# KiCad board ISA_PC104 Backplane.kicad_pcb (continued)
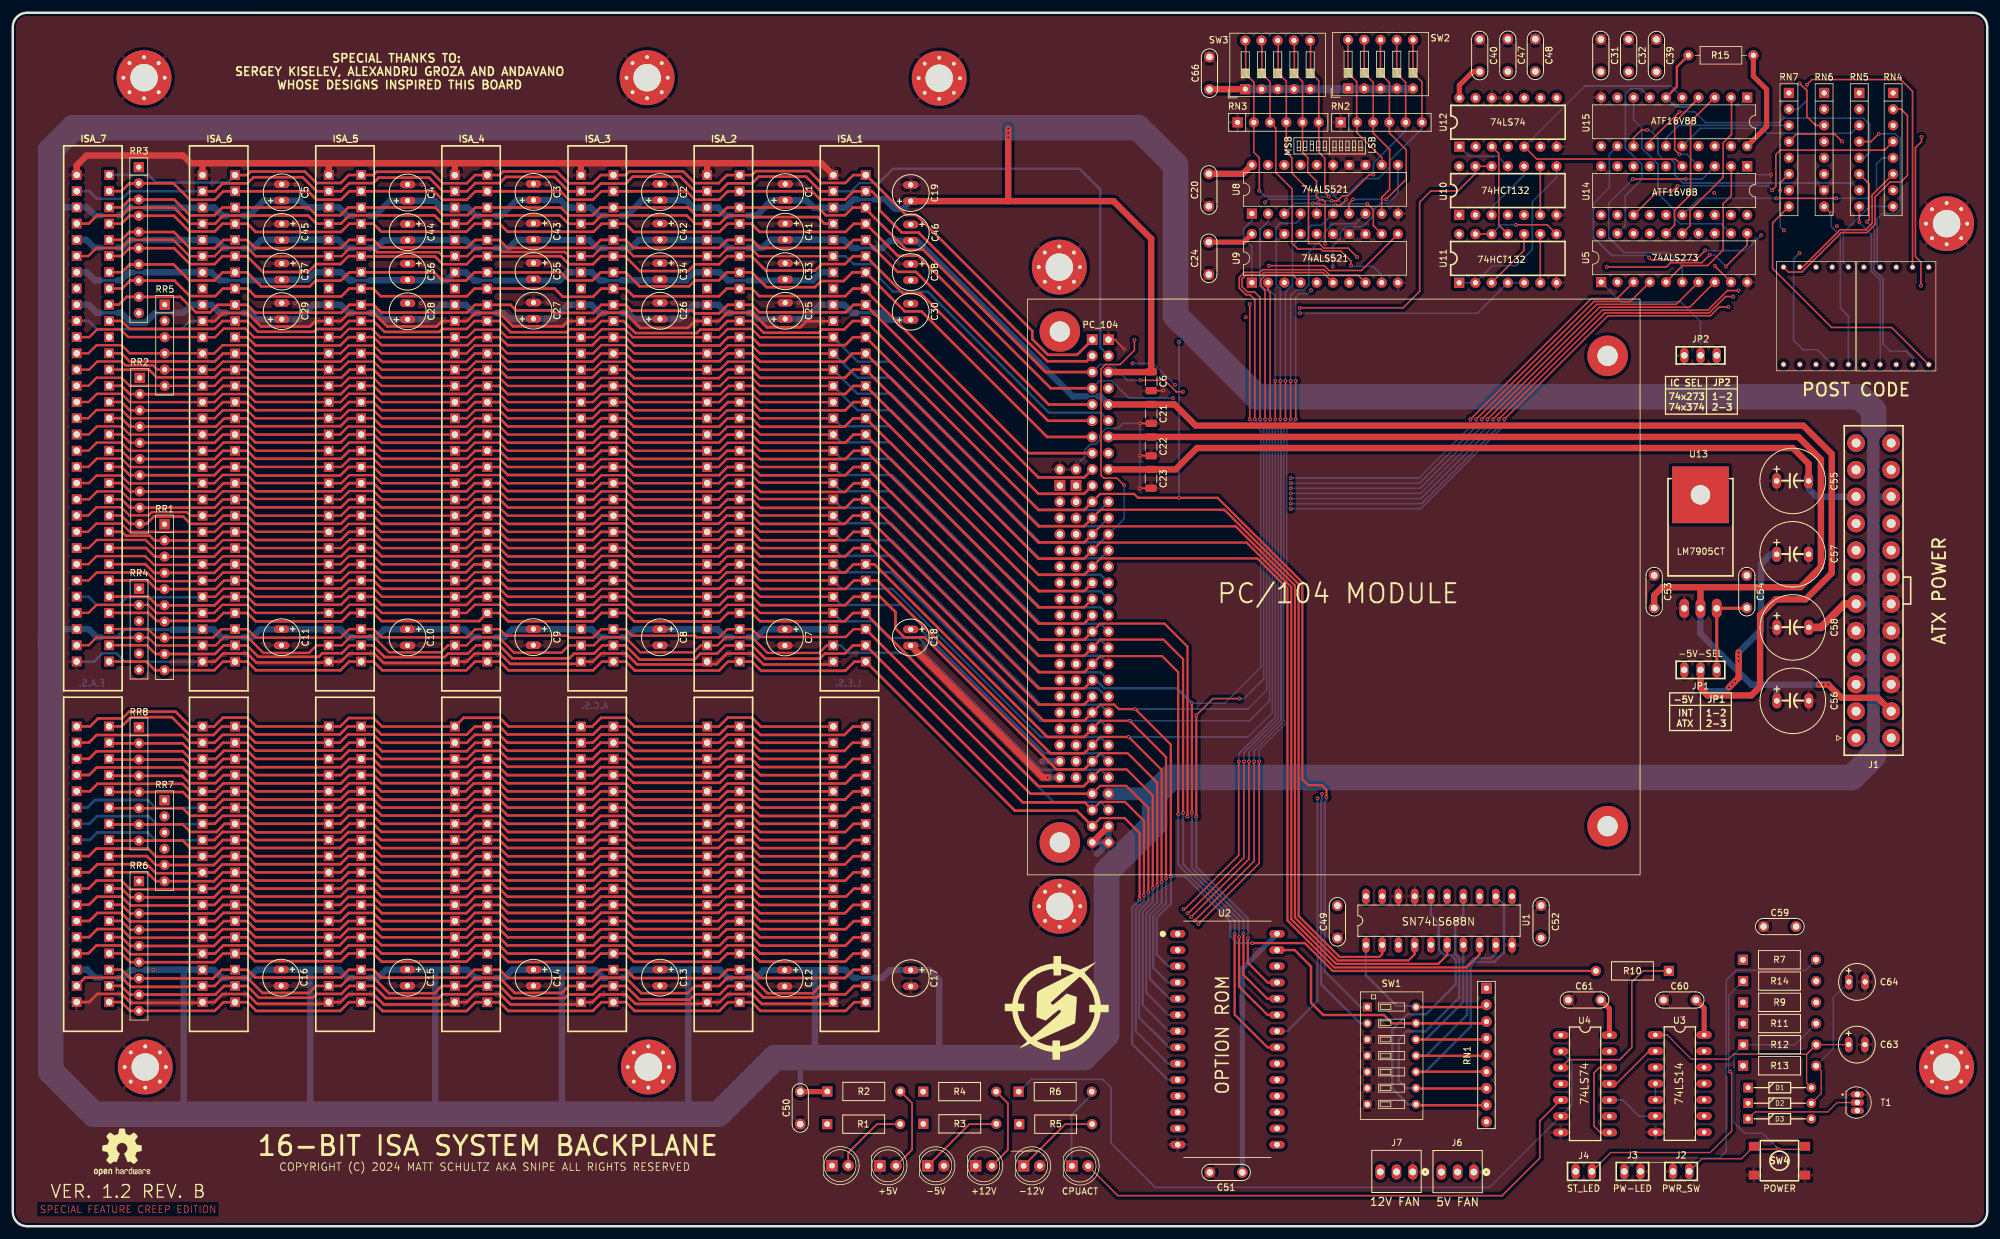
[diagram p0: board, top side]
## Routing (per net, layer and track width the routed paths; a pad name or vN(x,y) marks a point on that pad's centre or on a via; arc(x,y) is an arc through that point) (continued)
/BA01: length 353.4
  Top w0.25: v1(198.4,126.38) v1(198.4,132.38) ; v1(183.87,49.02) 183.98,49.02 192.68,57.73 v1(192.68,72.78)
  Top w0.35: PC_104.A30 170.22,66.45 174.08,66.45 177.05,63.49 v1(177.05,51.78)
  Top w0.42: PC_104.A30 167.77,66.38 158.08,66.38 ISA_1.61 131.51,90.96 130.24,89.69 127.11,89.69 126.3,88.88 117.77,88.88 115.69,90.96 ISA_2.61 111.54,90.96 110.25,89.67 107.63,89.67 106.69,88.73 98.11,88.73 95.88,90.96 ISA_3.61 92.25,90.96 90.97,89.68 87.85,89.68 87.1,88.93 78.19,88.93 76.16,90.96 ISA_4.61 72.51,90.96 71.23,89.68 68.15,89.68 67.6,89.13 58.19,89.13 56.35,90.97 ISA_5.61 52.74,90.97 51.5,89.73 48.45,89.73 47.9,89.18 38.42,89.18 36.64,90.96 ISA_6.61 32.98,90.96 31.64,89.62 22.35,89.62 20.99,90.98 ISA_7.61
  In1.Cu w0.25: v1(177.05,51.78) 178.56,50.27 183.56,50.27 183.93,49.9 183.93,49.08 v1(183.87,49.02)
  Bottom w0.25: v1(192.68,72.78) 192.68,74.12 198.05,79.48 198.05,125.57 198.4,125.92 v1(198.4,126.38) ; v1(198.4,132.38) 198.4,146.81 197.75,147.46 197.75,156.48 198.35,157.08 200.85,157.08 201.56,157.79 U8.4
  Bottom w0.35: U2.9 180.81,25.47 175.75,30.53 175.75,49.68 177.05,50.98 v1(177.05,51.78)
/BA02: length 353.3
  Top w0.25: v1(193.48,72.78) 193.48,57.5 v1(184.43,48.45) ; v1(199.2,126.38) v1(199.2,132.38)
  Top w0.35: PC_104.A29 170.2,68.97 174.26,68.97 177.74,65.5 v1(177.74,52.35)
  Top w0.378: ISA_7.60 21.16,93.52 22.5,92.18 31.35,92.18 32.67,93.5 ISA_6.60 36.73,93.5 38.05,92.18 51.32,92.18 52.65,93.51 ISA_5.60 56.47,93.51 57.75,92.23 71.1,92.23 72.37,93.5 ISA_4.60 76.18,93.5 77.19,92.49 86.8,92.49 87.12,92.17 90.78,92.17 92.11,93.5 ISA_3.60 95.95,93.5 96.96,92.49 106.8,92.49 107.07,92.22 110.57,92.22 111.85,93.5 ISA_2.60 115.7,93.5 116.92,92.28 130.37,92.28 131.59,93.5 ISA_1.60
  Top w0.42: ISA_1.60 159.27,67.73 PC_104.A29
  In1.Cu w0.25: v1(184.43,48.45) 184.49,48.51 184.49,49.97 183.75,50.72 179.37,50.72 v1(177.74,52.35)
  Bottom w0.25: v1(199.2,126.38) 199.2,126.08 198.5,125.38 198.5,79.3 193.48,74.28 v1(193.48,72.78) ; U8.6 204.84,156.78 203.3,156.78 202.8,156.28 202.8,154.78 202.3,154.28 201.05,154.28 200.3,153.53 200.3,147.47 199.2,146.37 v1(199.2,132.38)
  Bottom w0.35: v1(177.74,52.35) 177.74,50.89 176.3,49.45 176.3,32.68 180.97,28.01 U2.8
/BA03: length 359.1
  Top w0.25: v1(194.28,72.78) 194.28,72.87 194.28,57.17 v1(185,47.89) ; v1(200,132.38) v1(200,126.38)
  Top w0.35: v1(178.42,52.97) 178.42,67.46 174.35,71.53 170.22,71.53 PC_104.A28
  Top w0.42: ISA_1.59 131.51,96.04 130.21,94.74 116.99,94.74 115.69,96.04 ISA_2.59 111.94,96.04 110.62,94.72 97.27,94.72 95.95,96.04 ISA_3.59 92.15,96.04 90.84,94.73 77.55,94.73 76.24,96.04 ISA_4.59 73,94.77 57.74,94.77 56.46,96.05 ISA_5.59 52.78,96.05 51.46,94.73 38.02,94.73 36.71,96.04 ISA_6.59 32.97,96.04 31.73,94.8 22.53,94.8 21.27,96.06 ISA_7.59 ; PC_104.A28 167.59,68.9 160.56,68.9 133.5,95.95
  In1.Cu w0.25: v1(178.42,52.97) 180.23,51.17 183.93,51.17 185.06,50.04 185.06,47.95 v1(185,47.89)
  Bottom w0.25: v1(194.28,72.78) 194.28,74.44 198.95,79.11 198.95,125.2 198.97,125.21 198.98,125.21 200,126.23 v1(200,126.38) ; U8.8 210.12,156.98 206.63,156.98 205.25,155.6 205.25,154.96 202.85,152.56 202.85,147.48 202.03,146.66 200.93,146.66 200,145.73 v1(200,132.38)
  Bottom w0.35: U2.7 180.93,30.55 176.85,34.63 176.85,49.23 178.42,50.8 v1(178.42,52.97)
/BA04: length 372.3
  Top w0.25: v1(185.56,47.32) 195.08,56.84 v1(195.08,72.78) ; v1(200.8,132.38) v1(200.8,126.38)
  Top w0.35: PC_104.A27 170.23,74.08 174.5,74.08 179.12,69.46 v1(179.12,53.41)
  Top w0.42: PC_104.A27 167.69,71.54 163.37,71.54 142.68,92.23 139.55,92.23 138.15,93.63 138.15,96.18 135.75,98.58 ISA_1.58 131.6,98.58 130.28,97.26 117.03,97.26 115.71,98.58 ISA_2.58 111.9,98.58 110.62,97.3 97.23,97.3 95.95,98.58 ISA_3.58 92.09,98.58 90.83,97.32 77.48,97.32 76.22,98.58 ISA_4.58 72.3,98.58 71.02,97.3 57.76,97.3 56.47,98.59 ISA_5.58 52.63,98.59 51.37,97.33 37.96,97.33 36.71,98.58 ISA_6.58 32.94,98.58 31.6,97.24 RR1.6 22.56,97.24 21.2,98.6 ISA_7.58
  In1.Cu w0.25: v1(179.12,53.41) 180.91,51.62 184.12,51.62 185.62,50.12 185.62,47.38 v1(185.56,47.32)
  In2.Cu w0.25: v1(203.2,146.58) 204.49,146.58 205.25,147.34 205.25,148.96 v1(206.6,150.31)
  Bottom w0.25: v1(195.08,72.78) 195.08,74.61 199.4,78.92 199.4,124.9 200.8,126.3 v1(200.8,126.38) ; U8.11 216.8,161.79 215.21,160.2 213.99,160.2 212.85,159.05 212.85,158.12 211.26,156.53 208.72,156.53 207.76,155.58 207.76,154.7 206.6,153.53 v1(206.6,150.31) ; v1(200.8,132.38) 200.8,145.48 201.35,146.03 202.65,146.03 v1(203.2,146.58)
  Bottom w0.35: v1(179.12,53.41) 179.12,50.72 177.4,49 177.4,36.58 180.89,33.09 U2.6
/BA05: length 316.4
  Top w0.25: U9.2 196.48,146.55 196.8,146.23 v1(196.8,126.38)
  Top w0.35: v1(179.81,53.92) 179.8,53.93 179.8,71.48 v1(174.65,76.63) 170.24,76.63 PC_104.A26
  Top w0.42: ISA_7.57 21.09,101.14 22.45,99.78 31.72,99.78 33.06,101.12 ISA_6.57 36.73,101.12 37.97,99.89 51.42,99.89 52.67,101.13 ISA_5.57 56.49,101.13 57.78,99.84 70.96,99.84 72.24,101.12 ISA_4.57 76.19,101.12 77.47,99.84 90.83,99.84 92.11,101.12 ISA_3.57 95.93,101.12 97.2,99.85 110.58,99.85 111.85,101.12 ISA_2.57 115.69,101.12 117,99.81 130.33,99.81 131.64,101.12 ISA_1.57 135.36,101.12 162.41,74.07 167.68,74.07 PC_104.A26
  Bottom w0.25: v1(174.65,76.63) 174.66,76.63 193.35,76.63 197.15,80.43 197.15,125.48 196.8,125.83 v1(196.8,126.38)
  Bottom w0.35: v1(179.81,53.92) 179.81,50.63 177.95,48.77 177.95,38.73 181.05,35.63 U2.5
/BA06: length 321.5
  Top w0.25: U9.4 200.44,148.91 196.01,148.91 195.36,148.25 195.36,147.32 196,146.67 v1(196,126.38)
  Top w0.35: v1(180.5,54.43) 180.5,73.48 v1(174.82,79.16) 170.23,79.16 PC_104.A25
  Top w0.42: 133.63,103.66 134.87,103.66 161.91,76.62 167.69,76.62 PC_104.A25 ; ISA_1.56 131.58,103.66 130.31,102.39 116.84,102.39 115.57,103.66 ISA_2.56 111.89,103.66 110.6,102.37 97.24,102.37 95.95,103.66 ISA_3.56 92.1,103.66 90.83,102.39 77.49,102.39 76.22,103.66 ISA_4.56 72.19,103.66 70.94,102.41 57.68,102.41 56.42,103.67 ISA_5.56 52.6,103.67 51.31,102.38 38.01,102.38 36.73,103.66 ISA_6.56 32.89,103.66 31.55,102.32 22.14,102.32 20.78,103.68 ISA_7.56
  Bottom w0.25: v1(174.82,79.16) 193.58,79.16 196.7,82.28 196.7,125.3 196,126 v1(196,126.38)
  Bottom w0.35: U2.4 180.81,38.17 178.5,40.48 178.5,48.54 180.5,50.54 v1(180.5,54.43)
/BA07: length 403.9
  Top w0.25: v1(195.2,126.38) 195.2,145.48 194.35,146.33 193.2,146.33 192.4,147.13 192.4,148.38 192.95,148.93 195.4,148.93 195.83,149.36 205.06,149.36 U9.6
  Top w0.35: 247.96,39.98 206.58,39.98 202.22,44.35 194,44.35 v1(193.98,44.33) ; PC_104.A24 170.23,81.7 172.38,81.7 173.09,80.99 175.69,80.99 181.25,75.43 v1(181.25,54.78)
  Top w0.42: 134.05,106.2 131.61,106.2 130.32,104.91 116.98,104.91 115.69,106.2 ISA_2.55 111.85,106.2 110.56,104.91 97.24,104.91 95.95,106.2 ISA_3.55 92.2,106.2 90.9,104.9 77.51,104.9 76.21,106.2 ISA_4.55 72.47,106.2 71.2,104.93 57.74,104.93 56.46,106.21 ISA_5.55 52.67,106.21 51.38,104.92 38,104.92 36.72,106.2 ISA_6.55 32.85,106.2 31.51,104.86 22.22,104.86 20.86,106.22 ISA_7.55 ; PC_104.A24 167.69,79.16 161.32,79.16 134.28,106.2 ISA_1.55
  Bottom w0.25: v1(195.2,126.38) 195.2,126.16 196.25,125.11 196.25,83.93 193.31,80.99 v1(175.65,80.99)
  Bottom w0.35: U2.3 180.87,40.71 179.05,42.53 179.05,48.31 181.25,50.51 v1(181.25,54.78) 183.49,54.78 190.56,47.71 190.56,45.45 191.67,44.35 193.97,44.35 v1(193.98,44.33)
/BA08: length 336.3
  Top w0.25: v1(185.24,80.03) 187.84,82.63 v1(192,82.63) ; v1(194.4,126.38) 194.4,145.13 193.65,145.88 193.01,145.88 191.95,146.95 191.95,148.57 192.76,149.38 195.22,149.38 195.64,149.81 205.25,149.81 206.15,148.91 210.6,148.91 U9.8
  Top w0.35: v1(193.31,45.02) 193.31,41.28 196.41,38.17 U2.25 ; v1(185.24,80.03) v1(185.24,64.17)
  Top w0.42: PC_104.A23 167.68,81.69 160.55,81.69 ISA_1.54 131.56,108.74 130.25,107.43 117.03,107.43 115.72,108.74 ISA_2.54 111.76,108.74 110.53,107.51 97.17,107.51 95.94,108.74 ISA_3.54 92.06,108.74 90.79,107.47 77.49,107.47 76.22,108.74 ISA_4.54 72.26,108.74 71.01,107.49 57.73,107.49 56.47,108.75 ISA_5.54 52.62,108.75 51.34,107.47 38.01,107.47 36.74,108.74 ISA_6.54 32.9,108.74 31.56,107.4 22.18,107.4 21.44,108.14 17.69,108.14 17.07,108.76 ISA_7.54
  In2.Cu w0.42: v1(185.24,80.03) 183.57,81.7 170.23,81.7 PC_104.A23
  Bottom w0.25: v1(194.4,126.38) 194.4,126.3 195.72,124.98 195.75,124.98 195.8,124.92 195.8,85.73 192.7,82.63 v1(192,82.63)
  Bottom w0.35: v1(185.24,64.17) 185.24,56.26 193.31,48.19 v1(193.31,45.02)
/BA09: length 343.5
  Top w0.25: U9.11 211.08,149.68 206.01,149.68 205.26,150.43 v1(196.6,150.43) ; v1(193.6,144.41) v1(193.6,126.38)
  Top w0.35: v1(184.55,81.91) v1(184.55,64.74) ; U2.24 196.35,35.63 192.62,39.37 v1(192.62,45.8)
  Top w0.42: PC_104.A22 167.68,84.23 160.55,84.23 ISA_1.53 131.5,111.28 130.21,109.99 117.01,109.99 115.72,111.28 ISA_2.53 111.74,111.28 110.48,110.02 97.22,110.02 95.96,111.28 ISA_3.53 92.17,111.28 90.88,109.99 77.51,109.99 76.22,111.28 ISA_4.53 72.4,111.28 71.12,110 57.74,110 56.45,111.29 ISA_5.53 52.65,111.29 51.37,110.01 38.01,110.01 36.74,111.28 ISA_6.53 32.93,111.28 31.65,110 27.83,110 26.68,111.15 22.07,111.15 20.91,109.99 RR2.10 18.32,109.99 17.01,111.3 ISA_7.53
  In2.Cu w0.25: v1(196.6,150.43) 195.7,150.43 195.25,149.98 195.25,146.06 v1(193.6,144.41)
  Bottom w0.25: v1(184.55,81.91) 189.68,81.91 195.35,87.58 195.35,124.55 193.6,126.3 v1(193.6,126.38)
  Bottom w0.35: v1(192.62,45.8) 192.62,48.07 184.55,56.13 v1(184.55,64.74)
  Bottom w0.42: v1(184.55,81.91) 184.53,81.91 182.2,84.24 170.84,84.24 169.57,85.51
/BA10: length 253
  Top w0.35: U2.21 196.37,28.01 191.24,33.14 v1(191.24,45.73) ; PC_104.A21 170.2,89.29 179.89,89.29 182.4,86.78 v1(182.4,64.53)
  Top w0.42: ISA_7.52 17.01,113.84 18.32,112.53 31.59,112.53 32.88,113.82 ISA_6.52 36.73,113.82 37.97,112.58 51.39,112.58 52.64,113.83 ISA_5.52 56.46,113.83 57.73,112.56 71.08,112.56 72.34,113.82 ISA_4.52 76.23,113.82 77.5,112.55 90.84,112.55 92.11,113.82 ISA_3.52 95.96,113.82 97.24,112.54 110.54,112.54 111.82,113.82 ISA_2.52 115.71,113.82 117.03,112.5 130.33,112.5 131.65,113.82 ISA_1.52 160.54,86.78 167.69,86.78 PC_104.A21
  Bottom w0.35: v1(182.4,64.53) 182.4,56.65 191.24,47.81 v1(191.24,45.73)
/BA11: length 250.7
  Top w0.35: PC_104.A20 170.25,91.88 180.1,91.88 183.17,88.81 v1(183.17,64.74) ; U2.23 196.39,33.09 194.4,35.08 194.37,35.08 191.93,37.53 v1(191.93,45.27)
  Top w0.42: PC_104.A20 167.7,89.33 160.53,89.33 ISA_1.51 131.63,116.36 130.27,115 117.07,115 115.71,116.36 ISA_2.51 111.83,116.36 110.53,115.06 97.24,115.06 95.94,116.36 ISA_3.51 92.15,116.36 90.91,115.12 77.45,115.12 76.21,116.36 ISA_4.51 72.29,116.36 71.01,115.08 57.77,115.08 56.48,116.37 ISA_5.51 52.62,116.37 51.34,115.09 38,115.09 36.73,116.36 ISA_6.51 32.97,116.36 31.68,115.07 18.33,115.07 17.02,116.38 ISA_7.51
  Bottom w0.35: v1(191.93,45.27) 191.93,47.94 183.17,56.69 v1(183.17,64.74)
/BA12: length 240.2
  Top w0.35: PC_104.A19 170.21,94.38 180.25,94.38 183.86,90.77 v1(183.86,64.15)
  Top w0.42: PC_104.A19 167.69,91.86 160.54,91.86 ISA_1.50 131.6,118.9 130.3,117.6 116.99,117.6 115.69,118.9 ISA_2.50 111.83,118.9 110.55,117.62 97.23,117.62 95.95,118.9 ISA_3.50 92.12,118.9 90.87,117.65 77.47,117.65 76.22,118.9 ISA_4.50 72.32,118.9 71.02,117.6 57.76,117.6 56.45,118.91 ISA_5.50 52.59,118.91 51.25,117.57 38.05,117.57 36.72,118.9 ISA_6.50 32.84,118.9 31.55,117.61 18.32,117.61 17.01,118.92 ISA_7.50
  In2.Cu w0.42: v1(183.86,64.15) 183.86,54.24 179.35,49.73 179.35,45.08 181.18,43.25 U2.2
/BA13: length 265.5
  Top w0.42: PC_104.A18 167.68,94.39 160.55,94.39 ISA_1.49 131.62,121.44 130.32,120.14 116.99,120.14 115.69,121.44 ISA_2.49 111.78,121.44 110.52,120.18 97.21,120.18 95.95,121.44 ISA_3.49 92.09,121.44 90.81,120.16 77.49,120.16 76.21,121.44 ISA_4.49 72.36,121.44 71.11,120.19 57.7,120.19 56.44,121.45 ISA_5.49 52.64,121.45 51.39,120.2 37.96,120.2 36.72,121.44 ISA_6.49 32.89,121.44 31.6,120.15 18.32,120.15 17.01,121.46 ISA_7.49
  In2.Cu w0.35: PC_104.A18 170.26,96.97 198.18,96.97 205.54,89.61 205.54,68.21 206.29,67.47 206.29,58.29 209.1,55.48 222.1,55.48 224.5,53.09 U1.15
/BA14: length 271.7
  Top w0.42: ISA_7.48 17.04,124 18.35,122.69 31.59,122.69 32.88,123.98 ISA_6.48 36.73,123.98 37.98,122.73 51.32,122.73 52.58,123.99 ISA_5.48 56.48,123.99 57.77,122.7 71.12,122.7 72.4,123.98 ISA_4.48 76.18,123.98 77.46,122.7 90.82,122.7 92.1,123.98 ISA_3.48 95.93,123.98 97.19,122.72 110.55,122.72 111.81,123.98 ISA_2.48 115.67,123.98 116.95,122.7 130.3,122.7 131.58,123.98 ISA_1.48 160.55,96.93 167.68,96.93 PC_104.A17
  In2.Cu w0.35: PC_104.A17 170.2,99.45 196.52,99.45 206.12,89.85 206.12,68.45 206.87,67.71 206.87,58.49 209.33,56.03 226.65,56.03 229.57,53.11 U1.13
/BA15: length 278
  Top w0.42: PC_104.A16 167.69,99.48 160.54,99.48 ISA_1.47 131.51,126.52 130.2,125.21 116.99,125.21 115.68,126.52 ISA_2.47 111.86,126.52 110.56,125.22 97.22,125.22 95.92,126.52 ISA_3.47 92.07,126.52 90.81,125.26 77.48,125.26 76.22,126.52 ISA_4.47 72.34,126.52 71.04,125.22 57.76,125.22 56.45,126.53 ISA_5.47 52.53,126.53 51.29,125.29 37.92,125.29 36.69,126.52 ISA_6.47 33.1,126.52 31.81,125.23 18.32,125.23 17.01,126.54 ISA_7.47
  In2.Cu w0.35: PC_104.A16 170.26,102.05 194.74,102.05 206.7,90.09 206.7,68.69 207.45,67.95 207.45,58.69 209.56,56.58 231.3,56.58 234.65,53.23 U1.11
/BA16: length 292.4
  Top w0.35: U1.8 229.57,42.56 227.55,40.53 206.85,40.53 199.5,47.88 199.5,99.88 194.79,104.59 170.26,104.59 PC_104.A15
  Top w0.42: PC_104.A15 167.7,102.03 160.53,102.03 ISA_1.46 131.57,129.06 130.28,127.77 116.96,127.77 115.67,129.06 ISA_2.46 111.91,129.06 110.64,127.79 97.21,127.79 95.94,129.06 ISA_3.46 92.13,129.06 90.87,127.8 77.46,127.8 76.2,129.06 ISA_4.46 72.34,129.06 71.06,127.79 57.73,127.79 56.45,129.07 ISA_5.46 52.59,129.07 51.32,127.8 37.99,127.8 36.73,129.06 ISA_6.46 32.86,129.06 31.57,127.77 18.33,127.77 17.02,129.08 ISA_7.46
/BA17: length 287.9
  Top w0.35: PC_104.A14 170.2,107.07 193.13,107.07 200.1,100.1 200.1,48.1 207.12,41.08 223.1,41.08 224.5,42.48 U1.6
  Top w0.42: PC_104.A14 167.69,104.56 160.54,104.56 ISA_1.45 131.57,131.6 130.31,130.34 116.94,130.34 115.68,131.6 ISA_2.45 112.02,131.6 110.74,130.32 97.19,130.32 95.91,131.6 ISA_3.45 92.13,131.6 90.85,130.32 77.45,130.32 76.17,131.6 ISA_4.45 72.34,131.6 71.08,130.34 57.73,130.34 56.46,131.61 ISA_5.45 52.64,131.61 51.36,130.33 38.01,130.33 36.74,131.6 ISA_6.45 32.9,131.6 31.61,130.31 18.33,130.31 17.02,131.62 ISA_7.45
/BA18: length 283.3
  Top w0.35: U1.4 219.42,42.6 218.45,41.63 207.39,41.63 200.68,48.34 200.68,100.34 191.41,109.61 170.2,109.61 PC_104.A13
  Top w0.42: ISA_7.44 17.02,134.16 17.04,134.14 21.34,134.14 22.55,132.93 31.6,132.93 32.81,134.14 ISA_6.44 36.73,134.14 37.98,132.89 51.46,132.89 52.72,134.15 ISA_5.44 56.48,134.15 57.75,132.88 71.01,132.88 72.27,134.14 ISA_4.44 76.18,134.14 77.43,132.89 90.71,132.89 91.96,134.14 ISA_3.44 95.92,134.14 97.25,132.81 110.51,132.81 111.84,134.14 ISA_2.44 115.67,134.14 116.94,132.87 130.24,132.87 131.51,134.14 ISA_1.44 160.55,107.09 167.68,107.09 PC_104.A13
/BA19: length 278.9
  Top w0.35: PC_104.A12 170.26,112.21 189.62,112.21 201.26,100.58 201.26,48.58 207.65,42.18 213.9,42.18 214.33,42.62 U1.2
  Top w0.42: PC_104.A12 167.68,109.63 160.55,109.63 ISA_1.43 131.42,136.68 130.13,135.39 116.98,135.39 115.69,136.68 ISA_2.43 111.86,136.68 110.64,135.46 97.14,135.46 95.92,136.68 ISA_3.43 92.06,136.68 90.78,135.4 77.46,135.4 76.18,136.68 ISA_4.43 72.31,136.68 71,135.37 57.82,135.37 56.5,136.69 ISA_5.43 52.61,136.69 51.32,135.4 37.97,135.4 36.69,136.68 ISA_6.43 32.88,136.68 31.63,135.43 18.29,135.43 17.02,136.7 ISA_7.43
/CA0: length 42.7
  Top w0.25: v1(204.78,159.93) 204.53,160.17 v1(203.48,160.17) ; v1(208.72,160.76) 207.89,159.93 v1(207,159.93) ; RN2.6 220.55,179.24 219.14,180.64 219.14,185.79
  Bottom w0.25: v1(208.72,160.76) 208.72,161.5 211.3,164.08 213.73,164.08 215.5,165.85 215.5,166.83 220.55,171.88 RN2.6 ; v1(207,159.93) v1(204.78,159.93) ; U8.3 200.61,160.17 v1(203.48,160.17)
/CA1: length 36.2
  Top w0.25: 218,172.88 218,179.13 216.61,180.53 216.61,185.79 ; v1(206.43,160.58) 207.29,160.58 208.1,161.38 209,161.38 212.32,164.71 v1(212.95,164.71)
  Bottom w0.25: v1(212.95,164.71) 212.95,166.48 218,171.54 218,172.88 ; v1(206.43,160.58) 206.38,160.62 204.34,160.62 204.1,160.38 U8.5
/CA2: length 35.5
  Top w0.25: 215.46,172.98 215.46,179.12 214.06,180.52 214.06,185.79 ; v1(209.76,160.82) 209.18,160.24 U8.7 ; 215.46,172.88 215.46,171.22 218.1,168.58 218.1,163.97 v1(214.95,160.82)
  Bottom w0.25: v1(209.76,160.82) v1(214.95,160.82)
/CA3: length 29.4
  Top w0.25: 211.52,185.79 211.52,180.56 212.93,179.16 RN2.3 212.93,171.21 215.5,168.63 215.5,162.38 214.26,161.14 U8.9
/CA4: length 21.7
  Top w0.25: 208.99,185.79 208.99,180.6 210.34,179.25 210.34,172.93 ; U8.12 214.26,167.37 210.38,171.25 210.38,172.88
/CA5: length 50.3
  Top w0.25: 203.12,185.64 203.12,180.71 204.4,179.43 RN3.6 204.4,168.23 205.35,167.28 205.35,161.9 v1(206,161.25)
  In2.Cu w0.25: v1(196,160.33) 195.36,159.69 195.36,153.78 199.02,150.11 U9.3
  Bottom w0.25: v1(196,160.33) 196.5,160.83 203.91,160.83 204.33,161.25 v1(206,161.25)
/CA6: length 40.7
  Top w0.25: v1(205.4,153.88) 205.4,160.43 205.03,160.8 204.48,160.8 204.05,161.23 204.05,163.68 202.69,165.05 202.69,167.35 201.87,168.17 RN3.5 201.87,179.27 200.58,180.55 200.58,185.64
  In2.Cu w0.25: v1(205.4,153.88) 204.1,152.58 U9.5
/CA7: length 46.7
  Top w0.25: v1(210.4,151.78) 209,153.18 205.22,153.18 204.5,153.9 202.8,153.9 202.8,153.91 202.8,162.33 200.21,164.92 200.21,167.32 199.32,168.21 RN3.4 199.32,179.31 198.05,180.59 198.05,185.64
  In2.Cu w0.25: v1(210.4,151.78) 210.4,150.53 209.18,149.31 U9.7
/CA8: length 51.3
  Top w0.25: 195.5,185.64 195.5,180.53 196.79,179.25 RN3.3 197.67,172 197.67,165.01 200.25,162.43 200.25,153.93 201.15,153.03 204.73,153.03 205.03,152.73 207.85,152.73 209.45,151.14 v1(209.45,150.46)
  Bottom w0.25: v1(209.45,150.46) 209.6,150.31 212.93,150.31 214.26,148.97 U9.9
/CA9: length 48.2
  Top w0.25: v1(212,160.13) 212.95,159.18 212.95,156.71 U9.12 ; 192.96,185.64 192.96,180.47 194.25,179.19 RN3.2 194.25,168.19 195.1,167.33 v1(195.1,162.18)
  Bottom w0.25: v1(195.1,162.18) 196,161.28 203.73,161.28 204.32,161.87 206.31,161.87 208.05,160.13 v1(212,160.13)
/CLK: length 178
  Top w0.378: ISA_6.20 31.55,116.36 32.85,117.66 36.71,117.66 37.98,116.39 49.43,116.39 ; ISA_5.20 51.42,116.37 52.67,117.62 56.47,117.62 57.73,116.36 ISA_4.20 71.04,116.36 72.32,117.64 76.2,117.64 77.48,116.36 ISA_3.20 90.86,116.36 92.12,117.62 95.96,117.62 97.22,116.36 ISA_2.20 110.52,116.36 111.8,117.64 115.68,117.64 116.87,116.45 128.33,116.45 ; 29.39,116.33 18.19,116.33 16.95,117.57 13.11,117.57 11.92,116.38 ISA_7.20
  Bottom w0.378: PC_104.B20 170.21,91.88 160.7,91.88 137.5,115.08 129.7,115.08 ISA_1.20
/CLOCK_PULSE_ON_MATCH: length 59.1
  Top w0.25: U11.11 232.58,156.8 232.58,167.99 U12.3 ; v1(265.6,152.13) 264.38,150.91 259.48,150.91 258.81,150.23 v1(249.5,150.23) ; U5.11 271.46,153.64 v1(268.13,150.31)
  In2.Cu w0.25: U11.11 239.15,150.23 v1(249.5,150.23)
  Bottom w0.25: v1(265.6,152.13) 266.31,152.13 v1(268.13,150.31)
/D8: length 184.4
  Top w0.42: ISA_7.91 17.02,52.88 18.39,51.51 31.49,51.51 32.84,52.86 ISA_6.91 36.71,52.86 37.94,51.63 51.26,51.63 52.5,52.87 ISA_5.91 56.46,52.87 57.75,51.58 71.03,51.58 72.31,52.86 ISA_4.91 76.19,52.86 77.46,51.59 90.71,51.59 91.98,52.86 ISA_3.91 95.93,52.86 97.2,51.59 110.46,51.59 111.73,52.86 ISA_2.91 115.69,52.86 116.92,51.63 130.42,51.63 131.65,52.86 ISA_1.91
  In1.Cu w0.42: ISA_1.91 141.32,52.86 150.65,62.19 150.65,81.14 158.83,89.32 165.15,89.32 PC_104.C11
/D9: length 184.5
  Top w0.42: ISA_1.92 131.54,50.32 130.23,49.01 116.97,49.01 115.66,50.32 ISA_2.92 111.72,50.32 110.48,49.08 97.17,49.08 95.93,50.32 ISA_3.92 92.03,50.32 90.76,49.05 77.51,49.05 76.24,50.32 ISA_4.92 72.3,50.32 71,49.02 57.77,49.02 56.46,50.33 ISA_5.92 52.46,50.33 51.21,49.08 37.95,49.08 36.71,50.32 ISA_6.92 32.9,50.32 31.55,48.97 18.4,48.97 17.03,50.34 ISA_7.92
  In1.Cu w0.42: PC_104.C12 165.16,86.79 158.77,86.79 151.47,79.49 151.47,60.46 141.33,50.32 ISA_1.92
/D10: length 184.6
  Top w0.42: ISA_7.93 17.02,47.8 18.39,46.43 31.68,46.43 33.03,47.78 ISA_6.93 36.71,47.78 38.01,46.48 51.2,46.48 52.51,47.79 ISA_5.93 56.46,47.79 57.77,46.48 71,46.48 72.3,47.78 ISA_4.93 76.18,47.78 77.49,46.47 90.63,46.47 91.94,47.78 ISA_3.93 95.93,47.78 97.18,46.53 110.46,46.53 111.71,47.78 ISA_2.93 115.69,47.78 116.95,46.52 130.36,46.52 131.62,47.78 ISA_1.93
  In1.Cu w0.42: PC_104.C13 165.14,84.23 158.78,84.23 152.29,77.74 152.29,58.74 141.33,47.78 ISA_1.93
/D11: length 184.5
  Top w0.42: ISA_7.94 17,45.26 18.36,43.89 31.5,43.89 32.85,45.24 ISA_6.94 36.73,45.24 37.99,43.98 51.14,43.98 52.41,45.25 ISA_5.94 56.45,45.25 57.69,44.01 71.11,44.01 72.34,45.24 ISA_4.94 76.13,45.24 77.39,43.98 90.89,43.98 92.15,45.24 ISA_3.94 95.96,45.24 97.22,43.98 110.65,43.98 111.91,45.24 ISA_2.94 115.69,45.24 116.99,43.94 130.31,43.94 131.61,45.24 ISA_1.94
  In1.Cu w0.42: PC_104.C14 165.15,81.7 158.8,81.7 153.11,76.01 153.11,57.02 141.33,45.24 ISA_1.94
/D12: length 184.5
  Top w0.42: ISA_7.95 17.03,42.72 18.4,41.35 31.54,41.35 32.89,42.7 ISA_6.95 36.71,42.7 37.91,41.5 51.36,41.5 52.57,42.71 ISA_5.95 56.46,42.71 57.74,41.43 71.03,41.43 72.3,42.7 ISA_4.95 76.21,42.7 77.53,41.38 90.69,41.38 92.01,42.7 ISA_3.95 95.94,42.7 97.22,41.42 110.55,41.42 111.83,42.7 ISA_2.95 115.7,42.7 116.96,41.44 130.28,41.44 131.54,42.7 ISA_1.95
  In1.Cu w0.42: ISA_1.95 141.33,42.7 153.93,55.3 153.93,74.32 158.76,79.15 165.14,79.15 PC_104.C15
/D13: length 186.5
  Top w0.42: ISA_1.96 131.56,40.16 130.27,38.87 116.98,38.87 115.69,40.16 ISA_2.96 111.85,40.16 110.55,38.86 97.25,38.86 95.95,40.16 ISA_3.96 92,40.16 90.71,38.87 77.5,38.87 76.21,40.16 ISA_4.96 72.24,40.16 71.01,38.93 57.7,38.93 56.46,40.17 ISA_5.96 52.6,40.17 51.38,38.95 37.93,38.95 36.72,40.16 ISA_6.96 32.72,40.16 31.37,38.81 18.39,38.81 17.02,40.18 ISA_7.96
  In1.Cu w0.42: ISA_1.96 134.9,38.76 141.43,38.76 154.75,52.08 154.75,72.58 158.8,76.63 165.16,76.63 PC_104.C16
/D14: length 189.2
  Top w0.42: ISA_7.97 16.95,37.64 18.31,36.28 31.71,36.28 33.05,37.62 ISA_6.97 36.69,37.62 38.53,35.78 46.94,35.78 47.54,36.38 51.42,36.38 52.67,37.63 ISA_5.97 56.48,37.63 58.39,35.72 66.66,35.72 67.26,36.32 71.1,36.32 72.4,37.62 ISA_4.97 76.21,37.62 78.12,35.71 86.39,35.71 86.97,36.29 90.81,36.29 92.14,37.62 ISA_3.97 95.95,37.62 98.09,35.48 105.95,35.48 106.8,36.33 110.66,36.33 111.95,37.62 ISA_2.97 115.67,37.62 117.46,35.83 125.87,35.83 126.35,36.31 130.31,36.31 131.62,37.62 ISA_1.97
  In1.Cu w0.42: ISA_1.97 134.84,36.28 141.63,36.28 155.57,50.22 155.57,70.86 158.8,74.09 165.16,74.09 PC_104.C17
/D15: length 186
  Top w0.42: ISA_7.98 16.98,35.1 18.35,33.73 31.62,33.73 32.97,35.08 ISA_6.98 36.74,35.08 38.1,33.72 51.25,33.72 52.62,35.09 ISA_5.98 56.5,35.09 57.89,33.7 71.04,33.7 72.42,35.08 ISA_4.98 76.19,35.08 77.55,33.72 90.78,33.72 92.14,35.08 ISA_3.98 95.97,35.08 97.33,33.72 110.58,33.72 111.94,35.08 ISA_2.98 115.68,35.08 117.04,33.72 130.35,33.72 131.71,35.08 ISA_1.98
  In1.Cu w0.42: PC_104.C18 165.14,71.53 158.82,71.53 156.39,69.1 156.39,48.25 143.22,35.08 ISA_1.98
/DB0: length 388
  Top w0.25: v1(228.15,126.38) 247.05,145.28 251.1,145.28 U5.3
  Top w0.42: ISA_7.40 16.59,144.32 17.82,145.55 26.23,145.55 28.66,143.12 30.89,143.12 32.07,144.3 ISA_6.40 36.7,144.3 37.94,143.06 51.43,143.06 52.68,144.31 ISA_5.40 56.47,144.31 57.7,143.08 71.11,143.08 72.33,144.3 ISA_4.40 77.9,144.3 78.77,143.43 84.24,143.43 84.64,143.03 90.84,143.03 92.11,144.3 ISA_3.40 95.95,144.3 96.87,143.38 106.33,143.38 106.75,142.96 110.57,142.96 111.91,144.3 ISA_2.40 115.68,144.3 116.86,143.12 130.39,143.12 131.57,144.3 ISA_1.40 160.54,117.26 167.69,117.26 PC_104.A9
  In1.Cu w0.35: U2.11 183.76,20.39 186.5,23.13 186.5,115.55 184.77,117.28 170.21,117.28 PC_104.A9
  In2.Cu w0.25: v1(200.02,117.17) 170.32,117.17 PC_104.A9
  Bottom w0.25: v1(200.02,117.17) 220.08,117.17 228.15,125.23 v1(228.15,126.38)
/DB1: length 397.4
  Top w0.25: v1(229.03,126.38) 247.48,144.83 253.19,144.83 U5.4
  Top w0.42: 133.5,146.52 158.94,121.07 PC_104.A8 ; ISA_1.39 131.48,146.84 130.3,145.66 116.85,145.66 115.67,146.84 ISA_2.39 111.73,146.84 110.53,145.64 97.14,145.64 95.94,146.84 ISA_3.39 92.1,146.84 90.82,145.56 86.1,145.56 84.82,146.84 ISA_4.39 72.27,146.84 71.07,145.64 57.6,145.64 56.39,146.85 ISA_5.39 52.65,146.85 51.41,145.61 37.96,145.61 36.73,146.84 ISA_6.39 32.87,146.84 31.7,145.67 27.72,145.67 25.3,148.09 18.35,148.09 17.12,146.86 ISA_7.39
  In1.Cu w0.35: U2.12 183.87,17.85 187.08,21.06 187.08,115.8 183.1,119.78 170.96,119.78 169.95,120.79 169.24,120.79
  In2.Cu w0.25: v1(200.02,116.37) 200.11,116.37 200.65,116.91 200.65,118.71 199.55,119.81 171.08,119.81 169.81,121.07 PC_104.A8
  Bottom w0.25: v1(229.03,126.38) 229.03,125.23 220.17,116.37 v1(200.02,116.37)
/DB2: length 415.8
  Top w0.25: v1(229.92,126.38) 247.92,144.38 260.36,144.38 U5.7
  Top w0.42: ISA_7.38 17.08,149.4 18.31,150.63 25.15,150.63 27.68,148.1 31.56,148.1 32.84,149.38 ISA_6.38 36.69,149.38 38.89,147.18 46.47,147.18 47.37,148.08 51.34,148.08 52.65,149.39 ISA_5.38 65.95,149.39 67.25,148.09 70.95,148.09 72.24,149.38 ISA_4.38 85.75,149.38 87.02,148.11 90.73,148.11 92,149.38 ISA_3.38 95.92,149.38 98.1,147.2 105.84,147.2 106.77,148.13 110.51,148.13 111.76,149.38 ISA_2.38 115.67,149.38 117.99,147.06 125.53,147.06 126.49,148.02 130.04,148.02 131.4,149.38 ISA_1.38 139.6,143.28 142.22,143.28 161.89,123.61 PC_104.A7